# Altium PCB Holberton.PcbDoc (part 3 of 6) (continued)
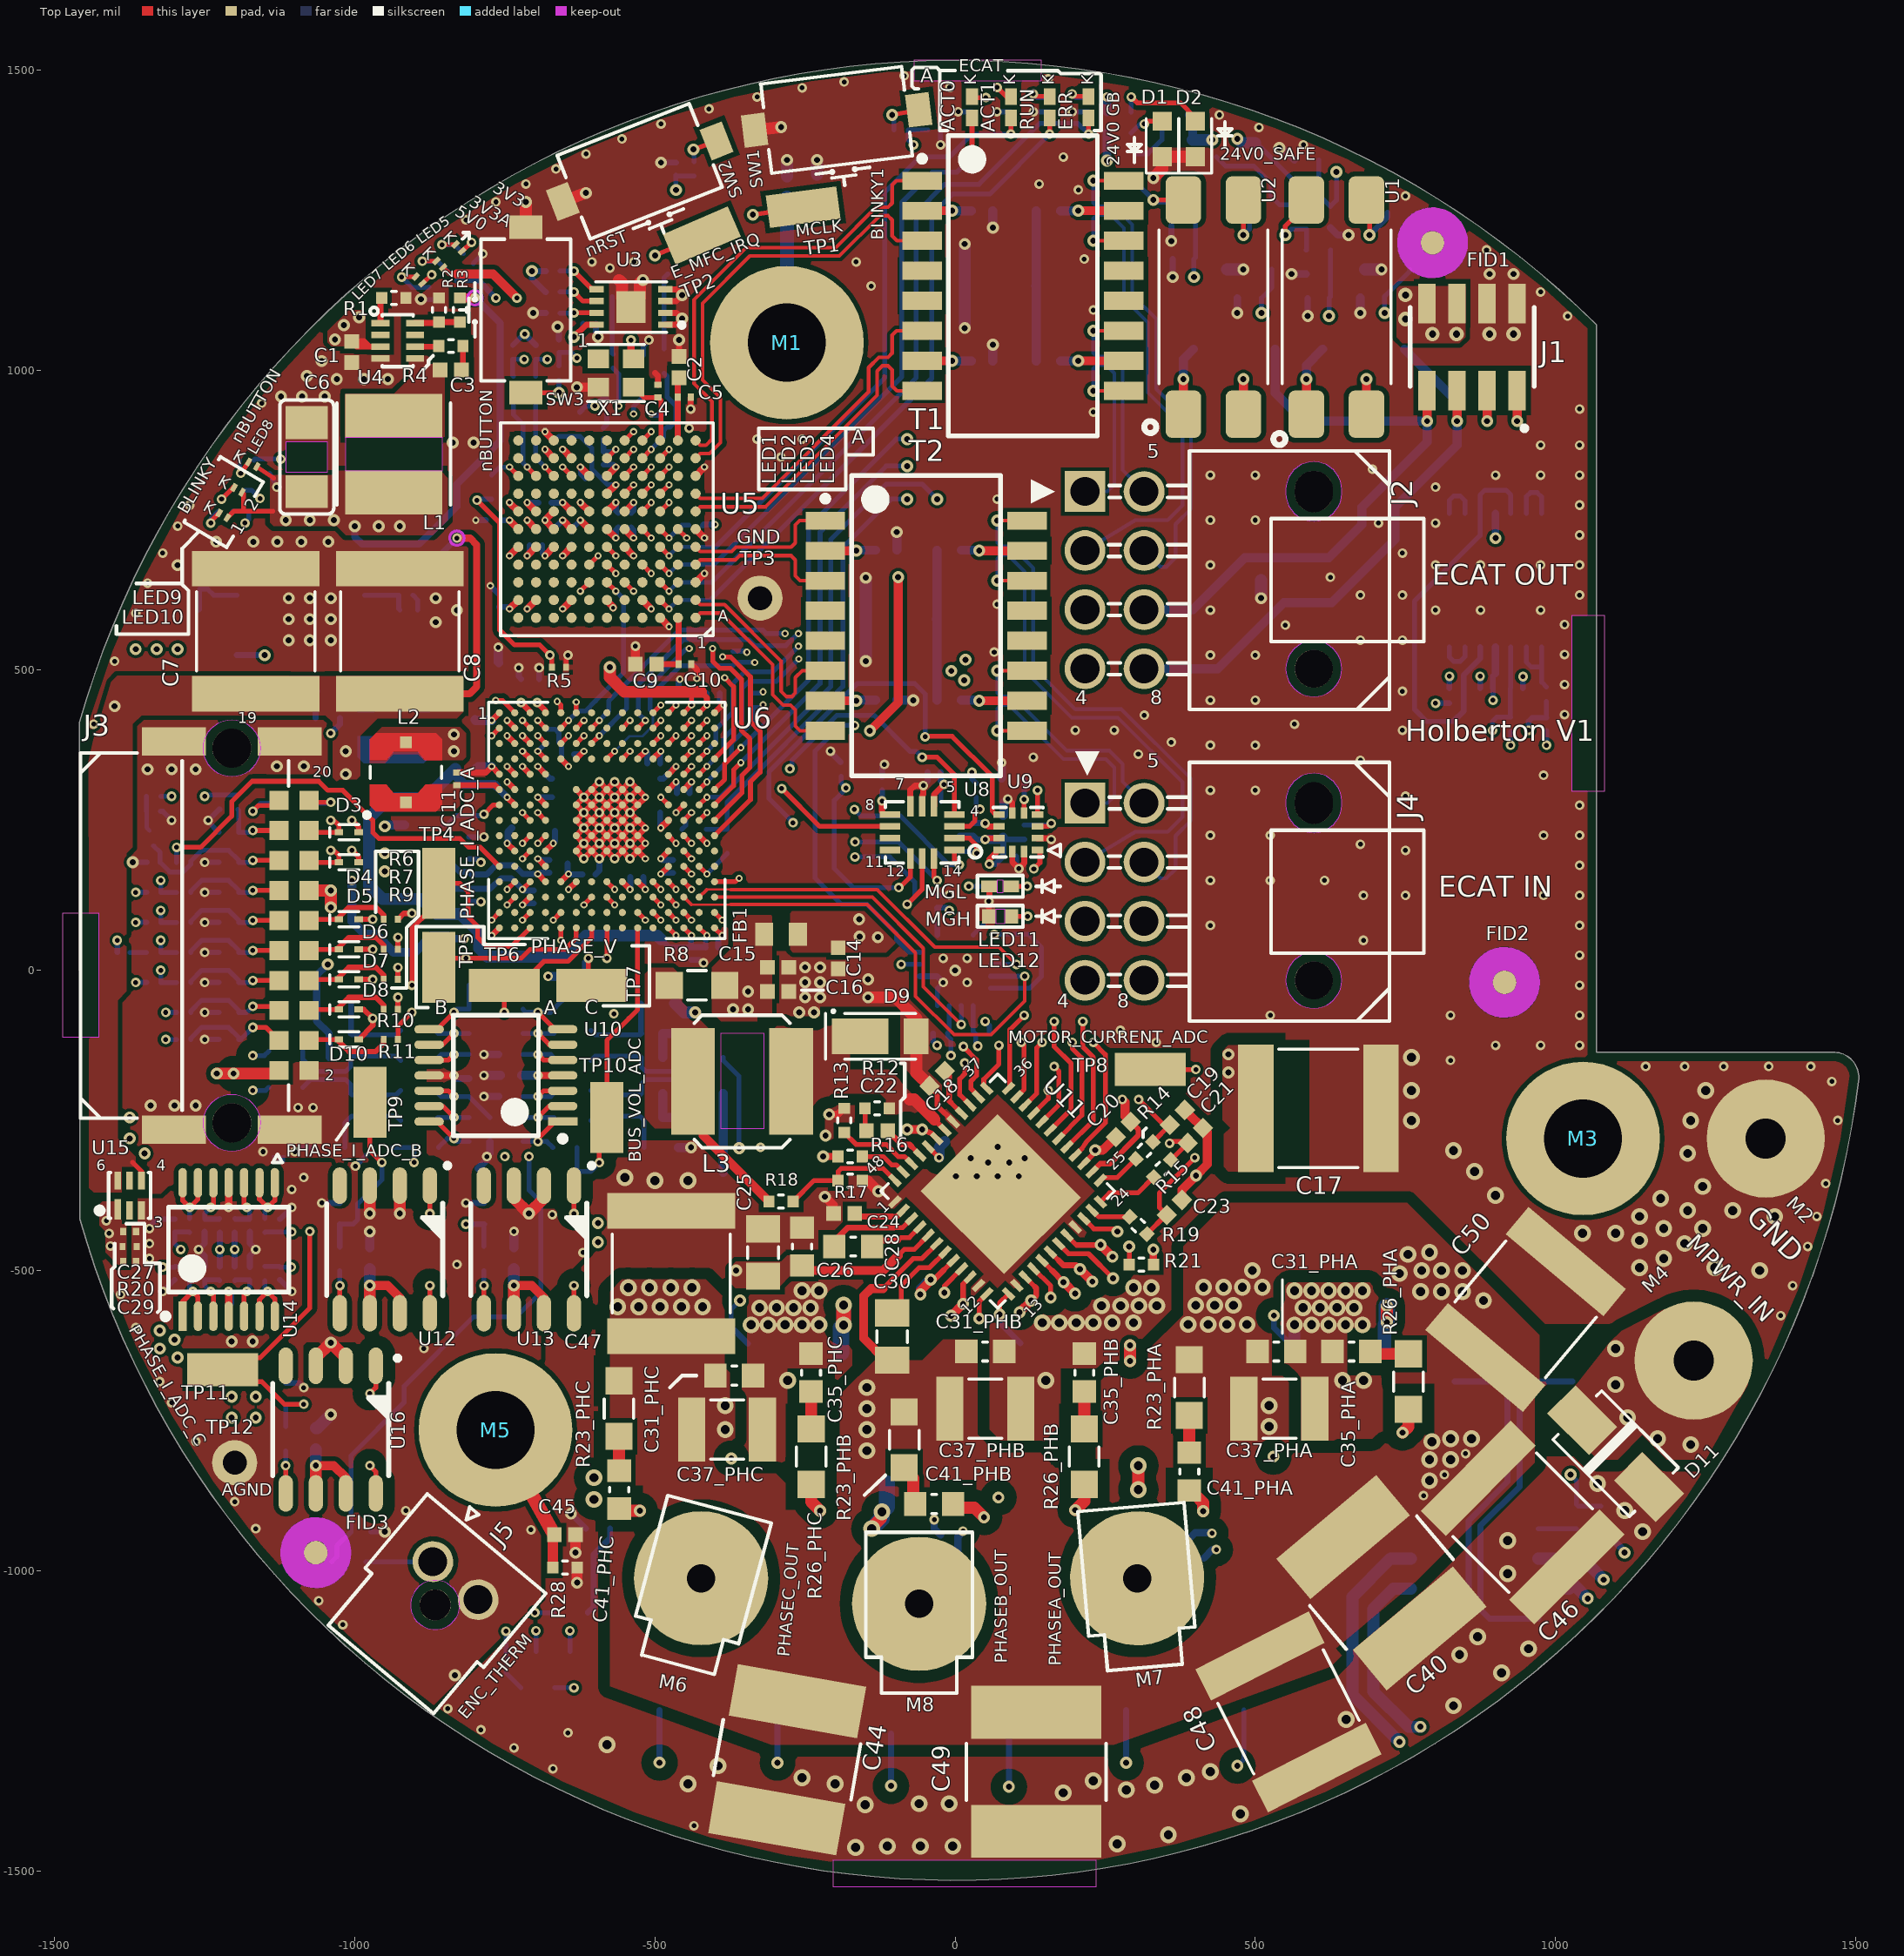
[diagram p0: Top Layer view]
## Nets (pads, with @x,y where several pads share a name; then routed paths per layer and width w, separated by ;. In a path a pad name is that pad's centre, name@x,y a point inside that pad or via, vN(x,y) a via of type N, cw(c..) or ccw(c..) an arc to the next point about the centre after c; other vN are vias at no path point) (continued)
  Bottom Layer w10: C165.2@-1250,-494.37 -1250,-475 v1(-1260,-465) -1250,-455 C157.2@-1250,-435.63 ; C164.2@-1175,-494.37 -1175,-475 v1(-1165,-465) -1175,-455 C156.2@-1175,-435.63 ; C171.2@-1115,-687.28 -1092.72,-687.28 v1(-1085,-695) ; v1(-1055,-387.28) C154.2@-1025,-387.28 ; R49.2@-829.65,1148.65 -828.3,1150 -795,1150 v1(-765,1120) ; v1(-815,-387.28) C153.2@-785,-387.28 ; v3(-695.16,186.02) -693.16,184.02 C118.2@-676.13,184.02
  Bottom Layer w12: C127.2@-845,57.72 -840,52.72 v1(-818,52.72) ; v1(-835,-175) -829.83,-180.17 R128.1@-810,-180.17 ; -795,-330 -780,-315 v1(-780,-310) -775,-305 R140.1@-775,-285.17 ; v1(-785,-210) R136.1@-760.17,-210 ; v1(-785,-140) R127.1@-760.17,-140 ; C173.2@1074.99,-927.72 1115,-967.73 v2(1115,-970)
  Bottom Layer w12.78: v2(900,720) U17.11@900,761.22
  Bottom Layer w15: v1(-1005,150) -1005,82 -983,60 -965,60 -935,30 -900,30 -872.28,57.72 C127.2@-845,57.72 ; C160.2@-975,-462.28 v2(-975,-435) ; v1(-785,-175) C140.2@-757.72,-175 ; C159.2@-735,-462.28 v1(-735,-435) ; v1(-678,-10) C132.2@-652.72,-10
  Bottom Layer w20: C172.2@-1065,-762.28 -1062.28,-762.28 v2(-1040,-740) ; U20.2@758.7,-1030 730,-1030 696.51,-1063.49 696.51,-1201.51 755,-1260 v2(775,-1260) ; U20.7@971.3,-1030 1022.72,-1030 C174.2@1029.99,-1022.72 v2(1053.64,-1046.36)
  other v1: -1020,-1090 -1060,-1050 -706.5,-931.8 -1165,-930 -915,-900 -1200,-885 -1265,-785 -1305,-720 -1325,-685 -885,-630 -1365,-595 -1390,-540 -830,-490 -1342,-480 -620,-470 -1342,-455 -671,-407 -1105,-365 -1085,-345
  other v2: -1205,-618 -1170,-618
BLINKY1: C51.1 D4.K J3.16 R35.1 R71.1 R72.2 U6.J13 | length 3106.6
  Top Layer w8: J3.16@-1076.11,183.08 -1073.03,180 D4.K@-1026.53,180 -1026.53,191.53 -1035,200 v1(-1040,200) ; U6.J13@-452.05,224.41 v3(-439.26,211.61)
  SL1 w6: v1(-1040,200) -1110.9,270.9 -1110.9,385.4 -1195,469.5 -1195,733 v1(-1183,745) -1183,786 -1145.5,823.5 -1145.5,855.5 -1126,875 -1016.13,875 -911,980.13 -911,1030 -847,1094 -847,1130 -812,1165 -754,1165 -685,1234 -493,1234 -352,1375 v1(-69.5,1375)
  SL2 w4: -764,320 -757.23,326.77 -735.77,326.77 -728.7,319.7 -676,319.7 -664.3,308 -621,308 -598,331 -535,331 -503.23,299.22 -503.23,271.22 -443.62,211.61 v3(-439.26,211.61)
  SL2 w6: v1(-1040,200) -1062,222 -1062,285 -1042,305 -1005,305 -990,320 -764,320
  Bottom Layer w8: R72.2@-1203.19,765 R71.1@-1176.81,765 -1176.81,751.19 v1(-1183,745) ; v1(-69.5,1375) -78.19,1383.69 R35.1@-78.19,1400 C51.1@-45.63,1400
BLINKY2: D14.K J3.20 R70.2 U6.M13 | length 1452.3
  Top Layer w8: J3.20@-1076.11,283.08 -1073.03,280 v1(-1040,280) ; U6.M13@-452.05,147.63 v3(-439.26,134.84)
  SL1 w6: v1(-1158,786) -1158,750.75 -1150,742.75 -1150,620 -1173.84,596.16 -1173.84,490.74 -1040,356.9 v1(-1040,280)
  SL2 w4: -499.75,173.23 -471.23,173.23 -439.26,141.25 v3(-439.26,134.84)
  SL2 w6: v1(-1040,280) -997,280 -983.5,293.5 -828.98,293.5 -822.48,300 -780,300 -754.6,274.59 -732.41,274.59 -704.83,302.17 -687.18,302.17 -636.2,251.2 -636.2,179.2 -625,168 -504.98,168 -499.75,173.23
  Bottom Layer w8: R70.2@-1183.19,800 -1172,800 v1(-1158,786) ; D14.K@-1080,278.47 -1041.53,278.47 v1(-1040,280)
BOOT0: D15.K J3.19 R5.2 R69.2 U6.C5 | length 1330.4
  Top Layer w8: v1(-1170,265) -1160,275 -1134.19,275 J3.19@-1126.11,283.08 ; v1(-796.58,783.03) -759,745.44 -759,567 -733.97,541.97 -691.97,541.97 v1(-675,525) -671.81,521.81 R5.2@-671.81,505 ; U6.C5@-656.78,377.95 v3(-643.98,390.74)
  SL1 w4: v3(-643.98,390.74) -631.18,403.54 -631.18,424.82
  SL1 w6: v1(-675,525) -651.75,501.75 -651.75,491.75 -616,456 -616,440 -631.18,424.82
  SL2 w6: v1(-1170,265) -1131,265 -1051,345 -1051,357.5 -1021.5,387 -958,387 -900,445 -797.99,445 -774.69,468.3 -760.8,468.3 -754.9,462.4 -688.3,462.4 -680,454.1 -680,444.1 -659.11,423.21 -659.11,411.11 -643.98,395.97 v3(-643.98,390.74)
  Bottom Layer w8: v1(-1170,265) -1156.68,278.32 D15.K@-1130.15,278.32 ; v1(-796.58,783.03) -794.79,784.82 R69.2@-772.01,784.82
BST: C22.1 U11.45 | length 70.5
  Top Layer w8: -73,-293.58 U11.45@-58.73,-307.84
  Top Layer w10: C22.1@-112.29,-267 -89.29,-290 -76.58,-290 -73,-293.58
BUS_VOLTAGE_ADC: C152.1 R144.2 TP10.1 U6.R10 | length 504.3
  Top Layer w8: v1(-592.71,-320.3) -592.71,-257.71 TP10.1@-580,-245 -580,-116.5 -543.5,-80 -528.82,-65.32 U6.R10@-528.82,70.86
  Bottom Layer w8: R144.2@-629.82,-295 -629.82,-332.53 C152.1@-632.29,-335 -607.41,-335 v1(-592.71,-320.3)
C_nRST: C120.1 D17.K J3.15 Q5.3 R100.2 | length 265.9
  Top Layer w8: v1(-1170,183.08) J3.15@-1126.11,183.08
  Bottom Layer w8: Q5.3@-1335,207.2 -1324.37,196.57 C120.1@-1324.37,180 -1308.37,164 -1286,164 -1273.19,176.81 R100.2@-1273.19,180 -1273.19,181.81 -1255,200 -1210,200 -1193.47,183.47 D17.K@-1193.47,180 -1173.08,180 v1(-1170,183.08)
DRIVE_THERM: C157.1 R21.1 R148.1 U14.12 | length 1853.3
  Top Layer w8: v1(-1240,-395) -1235.59,-390.59 U14.12@-1235.59,-353.78 ; R21.1@289.82,-489.99 v2(289.82,-460)
  SL1 w8: v1(-1240,-395) -1199.84,-435.16 -1144.3,-435.16 -1116.41,-463.05 -1062.05,-463.05 -969,-370 -640,-370 -615,-345 -590,-345 -560,-315 -420,-315 -419,-315 -403,-331 -389,-345 -176.5,-345 -155,-323.5 -56.54,-323.5 -17.1,-362.94 250.94,-362.94 289.82,-401.82 v2(289.82,-460)
  Bottom Layer w8: v1(-1240,-395) -1250,-405 C157.1@-1250,-414.37 -1226.18,-414.37 R148.1@-1225,-413.19
DRIVE_THERM_ADC: C158.1 R150.2 U6.K3 | length 1238.5
  Top Layer w8: v3(-720.75,186.02) U6.K3@-707.96,198.81
  SL2 w6: v1(-1290,-465) -1270,-485 -1140,-485 -1113,-512 -1085,-512 -1030,-457 -1030,-370 -1040,-360 -1040,-305 -972.5,-237.5 -972.5,-195.5 -949,-172 -949,8 -909,48 -909,61 -883,87 -883,133 -811,205 -764,205 -755,196 -730.72,196 v3(-720.75,186.02)
  Bottom Layer w8: v1(-1290,-465) -1300,-455 C158.1@-1300,-435.63 -1276.18,-435.63 R150.2@-1275,-436.81
E_MCLK: TP1.1 U5.F2 | length 701
  Top Layer w8: U5.F2@-461.88,735 v3(-447.12,720.23) ; v2(-336.95,1258.7) TP1.1@-253.33,1271.4
  SL2 w6: v3(-447.12,720.23) -447.12,739.08 -434.9,751.3 -434.9,859.9 -422,872.8 -422,949 -435.8,962.8 -435.8,1159.86 v2(-336.95,1258.7)
E_MDIO: R73.1 U5.F3 | length 62.7
  Top Layer w8: U5.F3@-491.41,735 v3(-476.65,720.23)
  Bottom Layer w8: v3(-476.65,720.23) -455.38,741.5 R73.1@-443.61,741.5
E_MFC_IRQ: TP2.1 U5.E6 | length 691.3
  Top Layer w8: U5.E6@-580,705.47 v3(-565.24,690.7) ; v2(-500,1191) TP2.1@-421.99,1224.38
  SL2 w6: v3(-565.24,690.7) -550.6,705.34 -550.6,726.8 -536.6,740.8 -492.3,740.8 -461,772.1 -461,971 -476.1,986.11 -476.1,1032.51 -485.8,1042.2 -485.8,1176.8 v2(-500,1191)
ECAT_EEPROM_CLK: R53.1 U3.6 U5.H4 | length 475
  Top Layer w8: v1(-635,1130) -619.84,1114.84 U3.6@-597.09,1114.84 ; U5.H4@-520.94,794.06 v3(-506.18,808.81)
  SL2 w6: v1(-635,1130) -564,1059 -564,1043 -529,1008 -529,987 -491.41,949.41 -491.41,823.58 v3(-506.18,808.81)
  Bottom Layer w8: R53.1@-658.19,1130 v1(-635,1130)
ECAT_EEPROM_DATA: R50.1 U3.5 U5.H5 | length 529.2
  Top Layer w8: v1(-635,1165) -604.53,1134.53 U3.5@-597.09,1134.53 ; U5.H5@-550.47,794.06 v3(-535.71,808.81)
  SL2 w6: v1(-635,1165) -655,1145 -655,1091.7 -637.3,1074 -626,1074 -615,1063 -615,1039.5 -582,1006.5 -582,831 -574.6,823.6 -550.49,823.6 v3(-535.71,808.81)
  Bottom Layer w8: R50.1@-658.19,1165 v1(-635,1165)
ECAT_LATCH_IN0: U5.C7 U6.J15 | length 673.6
  Top Layer w8: v3(-624.29,631.64) U5.C7@-609.52,646.42 ; U6.J15@-400.87,224.41 -341,284.28 -341,314 -325,330 -325,398 -341,414 -341,489 -374.27,522.27 v3(-387.48,522.27)
  SL2 w6: v3(-624.29,631.64) -587.65,631.64 -573.62,617.62 -557.62,617.62 -453,513 -398.38,513 -389.1,522.27 v3(-387.48,522.27)
ECAT_LATCH_IN1: U5.C6 U6.B5 | length 305.1
  Top Layer w8: U6.B5@-656.78,403.54 v3(-643.98,416.33) ; U5.C6@-580,646.42 v3(-565.24,631.64)
  Bottom Layer w8: v3(-643.98,416.33) -628.32,432 -616,432 -599,449 -552,496 -552,565 -552,618.41 v3(-565.24,631.64)
ECAT_LED_ACT0: LED1.A U5.D3 | length 1048.3
  Top Layer w8: U5.D3@-491.41,675.94 v3(-476.65,661.17) ; v1(28.03,1355) LED1.A@28.03,1420.29
  Bottom Layer w7: v3(-476.65,661.17) -461.87,675.95 -401.69,675.95
  Bottom Layer w8: -401.69,675.95 -89.07,988.57 -89.07,1278.93 -38,1330 3.03,1330 v1(28.03,1355)
ECAT_LED_ACT1: LED2.A U5.E3 | length 1090
  Top Layer w8: U5.E3@-491.41,705.47 v3(-476.65,690.7) ; v1(92.71,1393) LED2.A@92.71,1420.29
  Bottom Layer w7: v3(-476.65,690.7) -461.88,705.47 -398.62,705.47
  Bottom Layer w8: -398.62,705.47 -117,987.1 -117,1297 -59,1355 -10,1355 28,1393 v1(92.71,1393)
ECAT_LED_ERR: LED4.A U5.C3 | length 1238.5
  Top Layer w8: U5.C3@-491.41,646.42 v3(-476.65,631.64) ; v1(222.07,1393) LED4.A@222.07,1420.29
  Bottom Layer w7: v3(-476.65,631.64) -461.87,646.42 -405.68,646.42
  Bottom Layer w8: -405.68,646.42 -65,987.1 -65,1262.2 -17.5,1309.7 39.7,1309.7 141.2,1411.2 203.87,1411.2 v1(222.07,1393)
ECAT_LED_RUN: LED3.A U5.B3 | length 1169.5
  Top Layer w8: U5.B3@-491.41,616.89 v3(-476.65,602.12) ; v1(157.39,1393) LED3.A@157.39,1420.29
  Bottom Layer w7: v3(-476.65,602.12) -461.88,616.89 -408.11,616.89
  Bottom Layer w8: -408.11,616.89 -39,986 -39,1258.7 -4.5,1293.2 57.59,1293.2 v1(157.39,1393)
ECAT_MFC_CS: U5.D4 U6.B10 | length 364.8
  Top Layer w8: U6.B10@-528.82,403.54 v3(-516.03,416.33) ; U5.D4@-520.94,675.94 v3(-506.18,661.17)
  SL2 w6: v3(-506.18,661.17) -491.42,646.42 -470.72,646.42 -454,629.7 -454,547 v3(-443,536)
  Bottom Layer w8: v3(-516.03,416.33) -528,428.31 -528,449 -528,455.23 -447.99,535.23 -443.77,535.23 v3(-443,536)
ECAT_MFCIO_0: U5.J8 U6.D9 | length 596.1
  Top Layer w8: v3(-653.82,838.34) U5.J8@-639.05,823.58 ; U6.D9@-554.41,352.36 v3(-541.62,365.15)
  SL1 w6: v3(-653.82,838.34) -699,793.16 -699,667.22 -688.6,656.82 -688.6,593.6 -627.2,532.2 -627.2,487.2 -589,449 -589,436 -577.73,424.73 -577.73,401.27 v3(-541.62,365.15)
ECAT_MFCNES: U5.C5 U6.L13 | length 634.7
  Top Layer w8: U5.C5@-550.47,646.42 v3(-535.71,631.64) ; U6.L13@-452.05,173.22 v3(-439.26,160.43)
  SL1 w4: v3(-439.26,160.43) -452.05,173.23 -452.05,225.21 -426.46,250.8 -426.46,294.04 -419.32,301.18 -406.62,301.18 -399,308.8
  SL1 w6: v3(-535.71,631.64) -544,623.35 -544,586.69 -509.9,552.59 -509.9,512.9 -468,471 -423.12,471 -399,446.88 -399,308.8
ECAT_NRESET: C66.1 R25.1 R66.1 R163.1 U5.K4 | length 175.9
  Top Layer w8: U5.K4@-520.94,853.11 v3(-506.18,867.88)
  Bottom Layer w8: v3(-506.18,867.88) -485.63,888.42 C66.1@-485.63,890 -485.63,899.37 -480,905 -475,905 -465.19,914.81 R66.1@-465.19,925 -465.19,940.36 R163.1@-479.83,955 -479.83,989.66 R25.1@-485,994.82
ECAT_PDI_CLK: U5.K3 U6.P15 | length 1013.6
  Top Layer w8: U5.K3@-491.41,853.11 v3(-476.65,867.88) ; U6.P15@-400.87,96.45 v3(-388.08,83.65)
  SL1 w6: v3(-476.65,867.88) -362.62,753.85 -362.62,691.2 -387.48,666.34 -387.48,596.48 -350,559 -336.92,559 -303.87,525.95 -303.87,503.87 -266.57,466.57 -266.57,375.43 -291.85,350.15 -291.85,326.25 -285.5,319.9 -279.3,319.9 -271.8,312.4 -271.8,281.2 -290,263 -290,213.75 -312.4,191.35 -312.4,183.5 -322.3,173.6 -330.15,173.6 -341,162.75 -341,130.73 v3(-388.08,83.65)
ECAT_PDI_CS: U5.L4 U6.R5 | length 1517.9
  Top Layer w8: v3(-656.77,50) U6.R5@-656.78,70.86 ; U5.L4@-520.94,882.64 v3(-506.18,897.4)
  SL1 w6: v3(-656.77,50) -610.31,50 -601.92,41.61 -496.61,41.61 -448,-7 -394.55,-7 -271,116.55 -271,181.05 -230,222.05 -230,280 -245,295 -245,311.8 -237.3,319.5 -234.2,319.5 -224,329.7 -224,461 -275.83,512.83 -275.83,532.68 -298,554.85 -298,568.19 -269.28,596.91 -269.28,763.55 -392.73,887 -449.7,887 -460.11,897.4 v3(-506.18,897.4)
ECAT_PDI_EOF: U5.G3 U6.P10 | length 929.4
  Top Layer w8: U6.P10@-528.82,96.45 v3(-516.03,83.65) ; U5.G3@-491.41,764.53 v3(-476.65,779.29)
  SL1 w4: v3(-516.03,83.65) -503.23,96.45 -484.01,96.45 -477.64,102.82 -477.64,116.36 -471.95,122.05 -452.35,122.05 -445.6,115.3 -429.7,115.3 -422.95,122.05
  SL1 w6: v3(-476.65,779.29) -433,735.65 -433,706.5 -446.76,692.74 -446.76,601.35 -410.41,565 -373.4,527.99 -373.4,514.4 -335,476 -335,413.96 -330,408.96 -330,334 -351,313 -351,285.8 -362.6,274.2 -362.6,240.9 -382.12,221.38 -382.12,199.4 -395,186.52 -395,150 -422.95,122.05
ECAT_PDI_IRQ: U5.J3 U6.M15 | length 898.4
  Top Layer w8: U5.J3@-491.41,823.58 v3(-476.65,838.34) ; U6.M15@-400.86,147.63 -374,147.63 -366.52,147.63 -360.98,153.17 v3(-359.9,153.17)
  SL1 w6: v3(-476.65,838.34) -408.07,769.77 -401.14,769.77 -382.44,751.07 -382.44,697.17 -402.03,677.58 -402.03,590.99 -355.34,544.3 -340.92,544.3 -318.27,521.65 -318.27,499.27 -284.89,465.89 -284.89,393.11 -305.5,372.5 -305.5,230.5 -326,210 -342.64,210 -352.11,200.53 -352.11,179.69 -360,171.8 -360,153.27 v3(-359.9,153.17)
ECAT_PDI_MISO: U5.K5 U6.M11 | length 1425
  Top Layer w8: U5.K5@-550.47,853.11 v3(-535.71,867.88) ; U6.M11@-503.23,147.63 v3(-490.44,134.84)
  SL1 w6: v3(-535.71,867.88) -526.28,867.88 -511.6,853.2 -499.8,853.2 -491.5,861.5 -491.5,874.7 -483.2,883 -471.2,883 -446.87,858.67 -412.37,858.67 -392.54,838.84 -392.54,820.02 -346.5,773.98 -346.5,683.8 -374,656.3 -374,600.41 -345.09,571.5 -331.84,571.5 -290.22,529.88 -290.22,508.74 -247.87,466.39 -247.87,368.13 -259,357 -259,284 -249.46,274.46 -249.46,228.02 -284.09,193.39 -284.09,186.61 -306,164.7 -306,147 -319.76,133.24 -319.76,100.59 -386.35,34 -470.6,34 -500.27,63.67 -518.37,63.67 -531.4,76.7 -531.4,93.88 v3(-490.44,134.84)
ECAT_PDI_MOSI: U5.L5 U6.J4 | length 968.2
  Top Layer w8: v3(-695.16,211.61) U6.J4@-682.36,224.41 ; U5.L5@-550.47,882.64 v3(-535.71,897.4)
  SL1 w6: v3(-695.16,211.61) -661,245.77 -661,424 -647,438 -647,455 -673.3,481.3 -697.3,481.3 -710,494 -710,538.2 -728,556.2 -728,854.3 -699.3,883 -663,883 -637.9,908.1 -546.4,908.1 v3(-535.71,897.4)
ECAT_PDI_SOF: U5.H3 U6.N12 | length 940.7
  Top Layer w8: U5.H3@-491.41,794.06 v3(-476.65,808.81) ; U6.N12@-477.64,122.04 v3(-464.85,109.24)
  SL1 w6: v3(-476.65,808.81) -415,747.17 -415,737.6 -402,724.6 -402,701.41 -431.8,671.61 -431.8,603.79 -361.3,533.29 -361.3,520.3 -327,486 -322,486 -302.56,466.56 -302.56,410.31 -318,394.87 -318,329 -338.3,308.7 -338.3,280.1 -350.51,267.89 -350.51,231.48 -366.88,215.11 -366.88,191.09 -380,177.97 -380,147 -427,100 -455.6,100 v3(-464.85,109.24)
ECAT_PLLVCCIO: C67.1 FB2.2 U5.K6 | length 64.5
  Top Layer w8: U5.K6@-580,853.11 v3(-565.24,867.88)
  Bottom Layer w9.24: FB2.2@-585.91,885.02 C67.1@-585.91,863.75 -569.36,863.75 v3(-565.24,867.88)
ECAT_PROM_INIT: U5.J5 U6.C13 | length 603.9
  Top Layer w8: U5.J5@-550.47,823.58 v3(-535.71,838.34) ; U6.C13@-452.05,377.95 v3(-439.26,390.74)
  SL1 w4: -502.13,429.13 -477.64,429.13 v3(-439.26,390.74)
  SL1 w6: v3(-535.71,838.34) -550.47,823.59 -550.47,763.53 -611.81,702.19 -611.81,655.44 -602.64,646.27 -602.64,582.94 -575,555.3 -575,535 -519,479 -519,446 -502.13,429.13
ECAT_R0_N: T2.8 U5.A1 | length 345.4
  Top Layer w6.1: U5.A1@-432.36,587.36 -424.65,595.08 -390.02,595.08 -304.1,509.16 -304.1,459.16 -286.73,441.79 -274.23,441.79 -266.16,433.71 -266.16,407.01 -258.26,399.12 T2.8@-216.29,399.12
ECAT_R0_P: T2.6 U5.B1 | length 345.1
  Top Layer w6.1: U5.B1@-432.36,616.89 -424.65,609.18 -384.18,609.18 -290,515 -290,465 -280.89,455.89 -272.26,455.89 -266.16,461.99 -266.16,487.84 -254.88,499.12 T2.6@-216.29,499.12
ECAT_R1_N: T1.8 U5.G1 | length 534.2
  Top Layer w6.1: U5.G1@-432.36,764.53 -424.65,772.24 -315.75,772.24 -130,958 -130,998.36 -121.3,1007.06 -112.06,1007.06 -105,1000 -105,973.3 -97.1,965.4 T1.8@-55.13,965.4
ECAT_R1_P: T1.6 U5.H1 | length 537.2
  Top Layer w6.1: U5.H1@-432.36,794.06 -424.66,786.34 -321.6,786.34 -144.1,963.84 -144.1,1004.2 -127.14,1021.16 -112.04,1021.16 -105,1028.2 -105,1058.2 -97.8,1065.4 T1.6@-55.13,1065.4
ECAT_REG_OUT0: C9.2 C10.2 U5.A2 | length 114.5
  Top Layer w10: C9.2@-497.28,510 C10.2@-460.63,509.99 ; U5.A2@-461.88,587.36 -460.63,586.1 C10.2@-460.63,509.99
ECAT_REG_OUT1: C2.1 C5.1 U5.L2 | length 105.4
  Top Layer w10: U5.L2@-461.88,882.64 C5.1@-461.89,955 -461.89,985.4 C2.1@-460.01,987.29
ECAT_RESET: R163.2 U6.E13 | length 885.7
  Top Layer w8: U6.E13@-452.05,326.77 v3(-439.26,339.56)
  SL1 w4: -503.23,373.23 -503.23,358.23 -497.36,352.36 -452.05,352.36 v3(-439.26,339.56)
  SL1 w6: v3(-535.71,926.94) -520.94,912.18 -520.94,889.06 -527.36,882.64 -606.36,882.64 -639.5,849.5 -639.5,813.5 -668,785 -668,595 -611.2,538.2 -611.2,493.2 -569,451 -569,435 -559.5,425.5 -559.5,410.5 -542,393 -523,393 -503.23,373.23
  Bottom Layer w8: v3(-535.71,926.94) -535.71,939.47 R163.2@-520.18,955
ECAT_RESET_OUT: R27.2 R94.1 U5.J4 U6.B9 | length 1875
  Top Layer w8: U6.B9@-554.41,403.54 v3(-541.62,416.33) ; U5.J4@-520.94,823.58 v3(-506.18,838.34)
  SL1 w6: v3(-541.62,416.33) -541.62,443.61 -595.2,497.2 -595.2,548.4 -624.29,577.49 -624.29,598.45 -641,615.15 -641,649 -632,658 -632,712 -591.1,752.9 -591.1,835.9 -573.7,853.3 -530.6,853.3 -515.65,838.34 v3(-506.18,838.34)
  SL2 w6: v1(-1305,290) -1325,310 -1325,353 -1223,455 -1110,455 -1085,480 -986,480 -946,520 -830.3,520 -793,557.3 -621.3,557.3 -605,541 -605,498 -553,446 -553,427.72 v3(-541.62,416.33) ; v3(-560,940) -560,895 -550.47,885.47 -550.47,860.47 -543.11,853.11 -520.46,853.11 -506.17,838.83 v3(-506.18,838.34)
  Bottom Layer w8: R94.1@-1323.19,290 v1(-1305,290) ; R27.2@-570,1003.19 -560,993.19 v3(-560,940)
ECAT_SYNC_OUT0: U5.D7 U6.H14 | length 624.6
  Top Layer w8: U5.D7@-609.52,675.94 v3(-594.76,690.7) ; U6.H14@-426.46,249.99 v3(-413.67,262.79)
  SL1 w6: v3(-594.76,690.7) -580,675.95 -552.25,675.95 -520.94,644.64 -520.94,594.94 -489.5,563.5 -489.5,525.5 -464.6,500.6 -424.6,500.6 -416,492 -416,480.96 -392.04,457 -379,457 -371,449 -371,425.68 -387,409.68 -387,302.4 -398.73,290.67 -398.73,277.73 v3(-413.67,262.79)
ECAT_SYNC_OUT1: U5.D6 U6.J12 | length 622.4
  Top Layer w8: U5.D6@-580,675.94 v3(-565.24,661.17) ; U6.J12@-477.64,224.41 v3(-464.85,211.61)
  SL1 w4: v3(-464.85,211.61) -464.85,240.84 -479,255 -479,272 -466,285 -450,285 -426.46,308.54 -426.46,448.05 -434.55,456.14
  SL1 w6: v3(-565.24,661.17) -583.4,643.02 -583.4,593 -553.85,563.45 -553.85,533.85 -476.14,456.14 -434.55,456.14
ECAT_T0_N: T2.3 U5.D1 | length 255.1
  Top Layer w6.1: U5.D1@-432.36,675.94 -424.65,683.66 -366.39,683.66 -359.29,690.77 -273.22,690.77 -266.16,683.71 -266.16,657.01 -258.26,649.12 T2.3@-216.29,649.12
ECAT_T0_P: T2.1 U5.E1 | length 258.1
  Top Layer w6.1: U5.E1@-432.36,705.47 -424.66,697.76 -372.24,697.76 -365.13,704.87 -273.2,704.87 -266.16,711.91 -266.16,741.91 -258.96,749.12 T2.1@-216.29,749.12
ECAT_T1_N: T1.3 U5.K1 | length 755.6
  Top Layer w6.1: U5.K1@-432.36,853.11 -424.65,860.82 -409.36,860.82 -391.01,879.18 -391.01,953.52 -420.9,983.41 -420.9,1111.16 -342.16,1189.9 -193.1,1189.9 -125.94,1257.06 -112.06,1257.06 -105,1250 -105,1223.3 -97.1,1215.4 T1.3@-55.13,1215.4
ECAT_T1_P: T1.1 U5.L1 | length 758.6
  Top Layer w6.1: U5.L1@-432.36,882.64 -424.65,874.92 -415.2,874.92 -405.11,885.02 -405.11,947.68 -435,977.57 -435,1117 -348,1204 -198.94,1204 -131.78,1271.16 -112.04,1271.16 -105,1278.2 -105,1308.2 -97.8,1315.4 T1.1@-55.13,1315.4
ECAT_WD_STATE: R98.2 U5.G4 U6.L14 | length 811.5
  Top Layer w8: U5.G4@-520.94,764.53 v3(-506.18,779.29) ; U6.L14@-426.46,173.22 v3(-413.67,160.43)
  SL1 w6: v3(-506.18,779.29) -461.89,735 -461.89,597.78 -429.1,565 -429.1,540.1 -393,504 -380,504 -347,471 -347,393 -342,388 -342,339 -363,318 -363,291.8 -374.6,280.2 -374.6,250.77 -397.07,228.3 -397.07,205.02 -413.67,188.42 v3(-413.67,160.43)
  Bottom Layer w8: v3(-413.67,160.43) -380.01,194.09 R98.2@-380.01,194.82
ECAT_WD_TRIG: U5.F4 U6.K13 | length 702.7
  Top Layer w8: U5.F4@-520.94,735 v3(-506.18,720.23) ; U6.K13@-452.05,198.81 v3(-439.26,186.02)
  SL1 w4: v3(-439.26,186.02) -426.46,198.82 -426.46,222.54
  SL1 w6: v3(-506.18,720.23) -506.18,686.27 -491,671.1 -491,595.76 -482.71,587.47 -470.74,587.47 -461.3,578.03 -461.3,523.2 -451.6,513.5 -419.5,513.5 -400.39,494.39 -400.39,483.59 -389.8,473 -373.67,473 -359,458.33 -359,414.45 -375,398.45 -375,297 -387,285 -387,262 -426.46,222.54
ECATPHY0_R_N: J4.1 T2.9 | length 428.5
  Top Layer w6.1: v2(70,399.12) T2.9@119.54,399.12
  Bottom Layer w6.1: v2(70,399.12) 70,435.96 76.1,442.06 90,442.06 180.17,351.9 250.97,351.9 265,337.87 265,290 253.73,278.72 J4.1@216.13,278.72
ECATPHY0_R_P: J4.5 T2.11 | length 424.3
  Top Layer w6.1: v2(70,499.12) T2.11@119.54,499.12
  Bottom Layer w6.1: v2(70,499.12) 70,462.26 76.1,456.16 95.84,456.16 186.01,366 256.81,366 279.1,343.71 279.1,314.18 J4.5@314.56,278.72
ECATPHY0_T_N: J4.2 T2.14 | length 895.3
  Top Layer w6.1: v2(70,649.12) T2.14@119.54,649.12
  Bottom Layer w6.1: v2(70,649.12) 70,685.96 76.1,692.06 87.87,692.06 115.9,664.03 115.9,499.24 194.24,420.9 271,420.9 378.5,313.4 378.5,255.5 354,231 300,231 J4.2@216.13,180.3
ECATPHY0_T_P: J4.6 T2.16 | length 899.7
  Top Layer w6.1: v2(70,749.12) T2.16@119.54,749.12
  Bottom Layer w6.1: v2(70,749.12) 70,712.26 76.1,706.16 93.71,706.16 130,669.87 130,505.08 200.08,435 276.84,435 392.6,319.24 392.6,249.66 367,224.06 367,168.52 351.62,153.14 341.71,153.14 J4.6@314.56,180.3
ECATPHY1_R_N: J2.1 T1.9 | length 370
  Top Layer w6.1: v2(230,965.4) T1.9@280.7,965.4
  Bottom Layer w6.1: J2.1@216.13,797.72 253.73,797.72 265,809 265,994.76 251.41,1008.35 236.1,1008.35 230,1002.25 v2(230,965.4)
ECATPHY1_R_P: J2.5 T1.11 | length 365.8
  Top Layer w6.1: v2(230,1065.4) T1.11@280.7,1065.4
  Bottom Layer w6.1: v2(230,1065.4) 230,1028.55 236.1,1022.45 257.25,1022.45 279.1,1000.6 279.1,833.18 J2.5@314.56,797.72
ECATPHY1_T_N: J2.2 T1.14 | length 839.2
  Top Layer w6.1: v2(230,1215.4) T1.14@280.7,1215.4
  Bottom Layer w6.1: J2.2@216.13,699.3 300,750 354,750 378.5,774.5 378.5,905.02 320.9,962.62 320.9,1079.1 280.9,1119.1 280.9,1236.61 259.16,1258.35 236.1,1258.35 230,1252.25 v2(230,1215.4)
ECATPHY1_T_P: J2.6 T1.16 | length 843.5
  Top Layer w6.1: v2(230,1315.4) T1.16@280.7,1315.4
  Bottom Layer w6.1: v2(230,1315.4) 230,1278.55 236.1,1272.45 265,1272.45 295,1242.45 295,1124.94 335,1084.94 335,968.46 392.6,910.86 392.6,768.66 367,743.06 367,687.52 351.62,672.14 341.71,672.14 J2.6@314.56,699.3
ENC_A: U6.N14 U19.2 | length 628.8
  Top Layer w3.77: -413.78,134.84 -374,134.84
  Top Layer w6: U6.N14@-426.46,122.04 -413.78,134.72 ; -374,134.72 -129.72,134.72 -34,39 73.06,39 v1(102.06,10)
  Bottom Layer w8: U19.2@58.81,9.84 101.91,9.85 v1(102.06,10)
ENC_B: U6.N15 U19.6 | length 567.5
  Top Layer w6: U6.N15@-400.87,122.04 -138.04,122.04 -53,37 -53,-27 v1(10,-90)
  Bottom Layer w8: U19.6@9.84,-58.81 10,-58.96 v1(10,-90)
ENC_CLK: U6.C12 U19.12 | length 909.2
  Top Layer w8: U6.C12@-477.64,377.95 v3(-464.85,390.74)
  SL2 w4: v3(-464.85,390.74) -455,380.9 -455,362.3 -445.07,352.36 -403.8,352.36
  SL2 w6: -403.8,352.36 -389.84,352.36 -368.47,331 -352,331 -312,371 -285,371 -248.08,407.92 -167.61,407.92 v1(-167.57,407.87)
  Bottom Layer w8: v1(-167.57,407.87) -167.61,407.92 -190.56,407.92 -233,365.48 -233,153.42 -189.43,109.84 -146.98,109.84 -97.61,60.47 -97.61,50.68 -77.01,30.08 -59.36,30.08 U19.12@-58.81,29.53
ENC_CS: R122.1 U6.P5 U19.5 | length 978.2
  Top Layer w8: v3(-669.57,83.65) U6.P5@-656.78,96.45
  SL1 w6: v3(-669.57,83.65) -679.87,73.35 -679.87,38.62 -633,-8.25 -633,-46 -535,-144 -423,-144 -397,-118 -58,-118 -47.88,-107.88 23.01,-107.88 27.3,-112.17 27.3,-113.1 37.7,-123.5 v1(37.7,-126.2)
  Bottom Layer w8: U19.5@29.53,-58.81 29.52,-101.33 34.11,-105.92 34.11,-120.45 37.7,-124.04 v1(37.7,-126.2)
ENC_MISO: R123.1 U6.C11 U19.7 | length 1131.3
  Top Layer w8: U6.C11@-503.23,377.95 v3(-490.44,390.74)
  SL2 w4: v3(-490.44,390.74) -474,374.31 -474,367.6 -452.06,345.65 -452.06,334.05 -444.77,326.76 -402,326.76
  SL2 w6: -402,326.76 -391.76,326.76 -381.1,316.1 -348.76,316.1 -312.46,352.4 -276.66,352.4 -234.51,394.55 -190.71,394.55 -168.16,372 -124,372 -101,349 -101,327.6 -93.4,320 -93.4,221.69 -110.2,204.89 -110.2,-18.8 -7.14,-121.86 v1(-7.14,-141.94)
  Bottom Layer w8: U19.7@-9.84,-58.81 -9.85,-101.66 R123.1@-13.19,-105 -12.27,-105.92 -12.27,-110 -7.14,-115.12 v1(-7.14,-141.94)
ENC_MOSI: U6.B11 U19.4 | length 1228.5
  Top Layer w8: U6.B11@-503.23,403.54 v3(-490.44,416.33)
  SL2 w4: v3(-490.44,416.33) -472.44,416.33 -459.65,403.54 -404.83,403.54
  SL2 w6: -404.83,403.54 -396.05,412.33 -304.61,412.33 -268.53,448.41 -213.79,448.41 -180,482.2 -151.2,482.2 -77,408 -43,408 -25.19,390.19 -25.19,369.19 -2.11,346.11 -2.11,302.59 -18.27,286.43 -18.27,208.95 -35,192.22 -35,169.4 -46.4,158 -46.4,142.14 -32,127.74 -32,96.3 -13.35,77.65 22.35,77.65 40,60 v1(65,60)
  Bottom Layer w8: U19.4@58.81,-29.53 124.47,-29.53 144,-10 144,38 122,60 v1(65,60)
ENC_THERM_ADC: C96.1 R81.2 U6.H4 | length 2388.8
  Top Layer w8: v3(-695.16,262.79) U6.H4@-682.36,250
  SL1 w8: v1(-568.5,-72.5) -538,-42 -423,-42 -405,-60 -405,-87 -391,-101 -65,-101 -24,-60 51,-60 92,-101 92,-129 103,-140 236,-140 253,-123 253,-95 274,-74 355,-74 849,420 935,420 v1(955,400)
  SL2 w6: v3(-695.16,262.79) -654.78,222.41 -654.78,205.49 -665,195.26 -665,130 -628,93 -628,-13 v1(-568.5,-72.5)
  Bottom Layer w8: C96.1@985,420.63 R81.2@985,448.19
  Bottom Layer w8.84: v1(955,400) 955,415 960.63,420.63 C96.1@985,420.63
ENC_TMP1: FB5.2 J5.1 | length 111.9
  Bottom Layer w8: FB5.2@-981.85,-985 J5.1@-870,-985
ENC_Z: U6.N13 U19.3 | length 826.4
  Top Layer w3.77: -439.66,109.25 -374,109.25
  Top Layer w6: U6.N13@-452.05,122.04 -439.66,109.65 ; -374,109.65 -146.65,109.65 -66,29 -66,-43 -1.89,-107.11 59.89,-107.11 115.75,-51.25 v1(115.75,-9.81)
  Bottom Layer w8: U19.3@58.81,-9.84 v1@115.74,-9.82
FB: R17.2 R18.1 U11.48 | length 208.9
  Top Layer w8: R18.1@-269.83,-385 -234.83,-350 R17.2@-195.18,-350 -195.18,-335.18 -190,-330 -120.09,-330 U11.48@-100.49,-349.6